# Altium PCB PCB1.PcbDoc
Units mil, origin at the board's own origin, x right, y up, seen from the top; angles counter-clockwise.
Board outline 1146.13 x 1453.05 mil, 4 copper layers (Top Layer, VDD, GND, Bottom Layer); 116 components, 110 nets, 483 pads, 0 vias.
Unrouted connection lines stored in the file: 305.
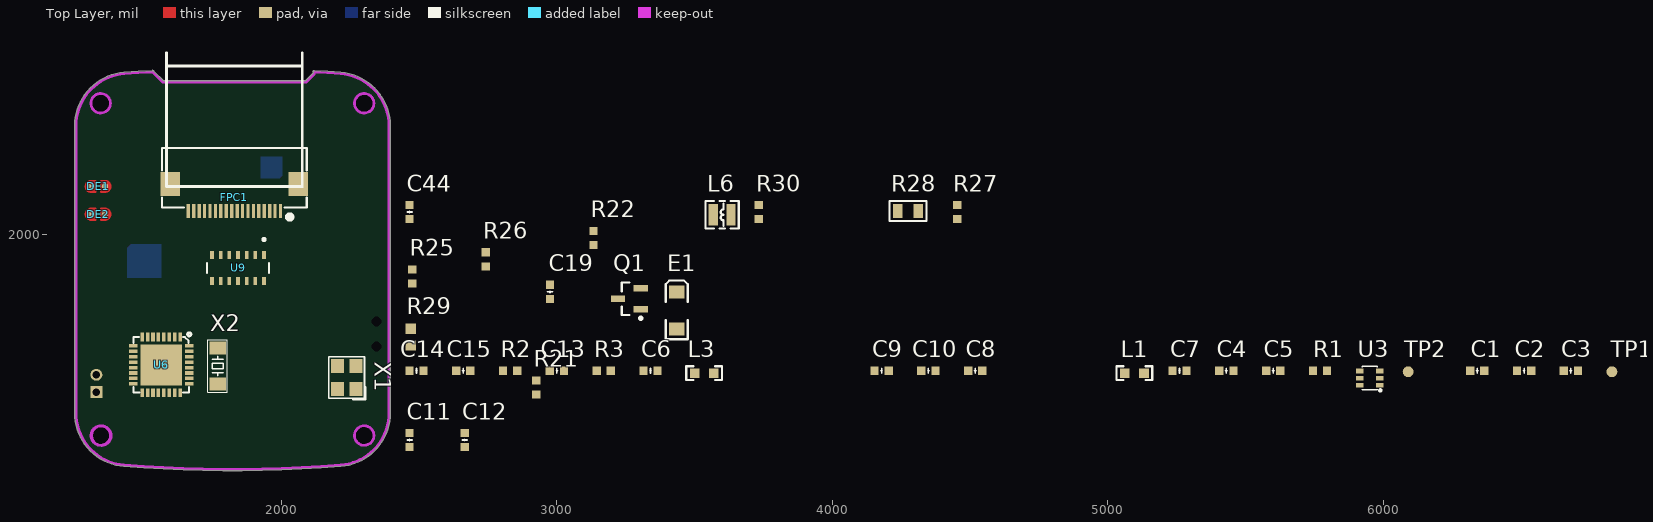
[diagram p0: Top Layer view]
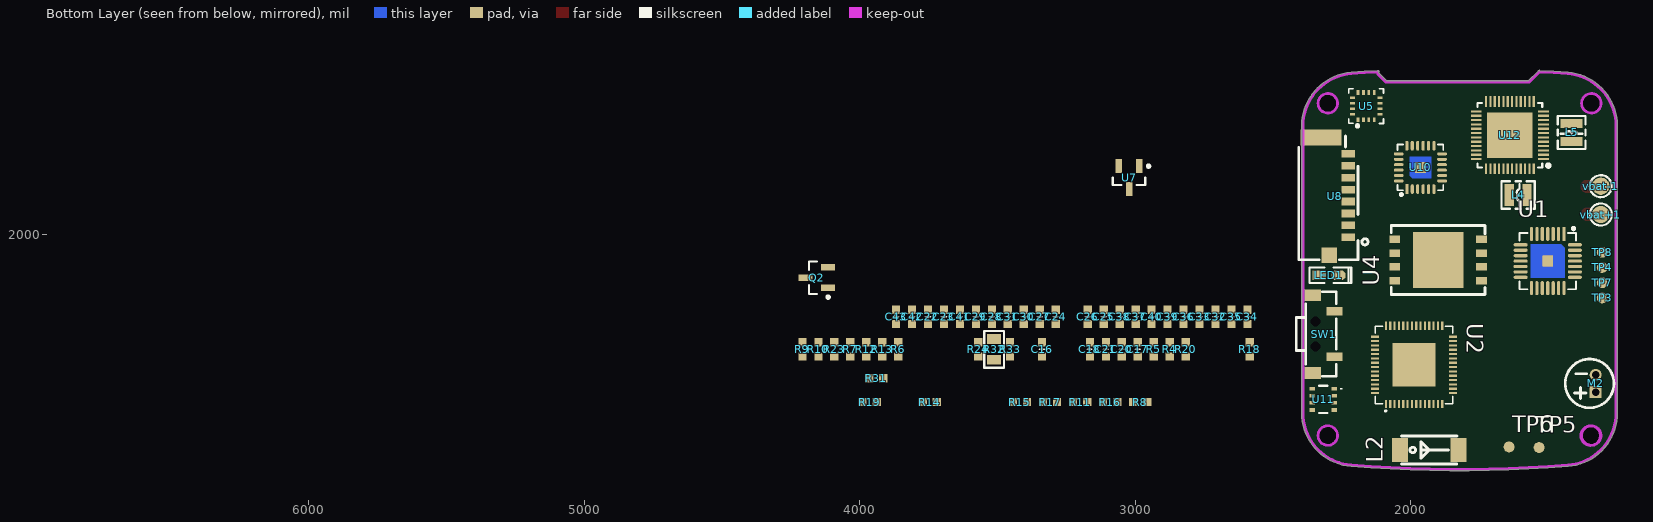
[diagram p1: Bottom Layer view, seen from below]

## Layer stack, top to bottom
Top Solder: solder mask 0.4, Solder Resist, Dk 3.5
Top Layer: signal copper 1.4
Dielectric 1: dielectric 12.6, FR-4, Dk 4.8
VDD: signal copper 1.4
Dielectric3: dielectric 12.6, FR-4, Dk 4.8
GND: signal copper 1.4
Dielectric2: dielectric 12.6, FR-4, Dk 4.8
Bottom Layer: signal copper 1.4
Bottom Solder: solder mask 0.4, Solder Resist, Dk 3.5

## Board outline
1248.82,1353.26 cw(c1254.19,1353.3) 1248.82,1353.3 1248.82,2395.93 cw(c1253.83,2395.98) 1248.82,2395.98 cw(c1443.34,2395.96) 1428.01,2589.88 cw(c1428.38,2585.22) 1428.04,2589.88 cw(c1821.89,-2398.08) 1531.21,2596.95 cw(c1532,2592) 1535.55,2595.55 1572.08,2559.01 2085.98,2559.01 2115.39,2588.43 cw(c2119.33,2591.53) 2119.63,2596.54 cw(c1821.86,-2398.46) 2215.77,2589.88 cw(c2200.35,2395.88) 2394.95,2395.98 cw(c2389.54,2395.98) 2394.95,2395.95 2394.95,1353.3 cw(c2200.43,1353.33) 2215.77,1159.4 cw(c1821.89,6134.69) 1428.01,1159.4 cw(c1443.27,1353.25)
cut-out: 2300.33,2442.44 cw(c2300.33,2477.87) 2264.9,2477.87 cw(c2300.33,2477.87) 2300.33,2513.3 cw(c2300.33,2477.87) 2335.77,2477.87 cw(c2300.33,2477.87)
cut-out: 1343.44,2442.44 cw(c1343.44,2477.87) 1308.01,2477.87 cw(c1343.44,2477.87) 1343.44,2513.3 cw(c1343.44,2477.87) 1378.88,2477.87 cw(c1343.44,2477.87)
cut-out: 1308.01,1271.41 ccw(c1343.44,1271.41) 1343.44,1235.98 ccw(c1343.44,1271.41) 1378.88,1271.41 ccw(c1343.44,1271.41) 1343.44,1306.84 ccw(c1343.44,1271.41)
cut-out: 2264.9,1271.41 ccw(c2300.33,1271.41) 2300.33,1235.98 ccw(c2300.33,1271.41) 2335.77,1271.41 ccw(c2300.33,1271.41) 2300.33,1306.84 ccw(c2300.33,1271.41)

## Design rules (kind name [scope] priority, off if disabled: settings)
Clearance [All] p1: gap=10 ignorepadtopadclearanceinfootprint=TRUE except(0: Arc-Hole Track-Hole SMDPad-Hole THPad-Hole Via-Hole Fill-Hole Poly-Hole Region-Hole Text-Hole)
PolygonConnect [All] p1: connectstyle=Relief reliefconductorwidth=10 reliefentries=4 polygonreliefangle="90 Angle" airgapwidth=10
RoutingVias [All] p1: holewidth=28 width=50 viastyle="Through Hole" minholewidth=28 minwidth=50 maxholewidth=28 maxwidth=50
SolderMaskExpansion [All] p1: expansion=4 istentingtop=FALSE
Width [All] p1: maxlimit=10 minlimit=10 preferedwidth=10
30 further rules are at their usual default settings.

## Classes and differential pairs
component class power: C27 C28 C29 C30 C31 C32 C33 C34 C35 C36 C37 C38 C39 C40 C41 C42 C43 C44 DE1 DE2 L4 L5 L6 LED1 R27 R28 R29 R30 R31 R32 R33 SW1 U12 vbat+1 vbat-1
component class peripheral: C16 C17 C18 C19 C20 C21 C22 C23 C24 C25 C26 E1 FPC1 HP9 HP10 M2 Q1 Q2 R4 R5 R6 R7 R8 R9 R10 R11 R12 R13 R14 R15 R16 R17 R18 R19 R20 R21 R22 R23 R24 R25 R26 TP3 TP4 TP5 TP6 TP7 TP8 U5 U6 U7 U8 U9 U10 U11
component class MCU: C1 C2 C3 C4 C5 C6 C7 C8 C9 C10 C11 C12 C13 C14 C15 HP1 HP2 HP3 HP4 HP5 HP6 HP7 HP8 L1 L2 L3 R1 R2 R3 TP1 TP2 U1 U2 U3 U4 X1 X2

## Components (designator, comment, footprint, x,y, rotation, side; value= is the part's Value field where it differs from the comment)
C1 "22pF" "C 0603_L" 6342,1507 r180 top
C2 "22pF" "C 0603_L" 6512,1507 r180 top
C3 "104" "C 0603_L" 6682,1507 r180 top
C4 "104" "C 0603_L" 5431,1507 r180 top
C5 "106" "C 0603_L" 5601,1507 r180 top
C6 "0.1uF" "C 0603_L" 3340,1507 r180 top
C7 "104" "C 0603_L" 5261,1507 r180 top
C8 "106" "C 0603_L" 4519,1507 r180 top
C9 "104" "C 0603_L" 4179,1507 r180 top
C10 "104" "C 0603_L" 4349,1507 r180 top
C11 "22pF" "C 0603_L" 2465,1255 r270 top
C12 "22pF" "C 0603_L" 2665,1255 r270 top
C13 "104" "C 0603_L" 3000,1507 r180 top
C14 "104" "C 0603_L" 2490,1507 r180 top
C15 "106" "C 0603_L" 2660,1507 r180 top
C16 "221" "C 0603_L" 3338,1584.43 r270 bottom
C17 "105" "C 0603_L" 2990,1584.43 r270 bottom
C18 "105" "C 0603_L" 3164,1584.43 r270 bottom
C19 "0.22uf" "C 0603_L" 2975,1793 r270 top
C20 "105" "C 0603_L" 3048,1584.43 r270 bottom
C21 "105" "C 0603_L" 3106,1584.43 r270 bottom
C22 "105" "C 0603_L" 3752,1702.43 r270 bottom
C23 "105" "C 0603_L" 3694,1702.43 r270 bottom
C24 "104" "C 0603_L" 3288,1702.43 r270 bottom
C25 "2.2nF" "C 0603_L" 3114,1702.43 r270 bottom
C26 "104" "C 0603_L" 3172,1702.43 r270 bottom
C27 "10uf/16V" "C 0603_L" 3346,1702.43 r270 bottom
C28 "10uf/16V" "C 0603_L" 3520,1702.43 r270 bottom
C29 "10uf/16V" "C 0603_L" 3578,1702.43 r270 bottom
C30 "10uf/16V" "C 0603_L" 3404,1702.43 r270 bottom
C31 "10uf/16V" "C 0603_L" 3462,1702.43 r270 bottom
C32 "10uf/16V" "C 0603_L" 2708,1702.43 r270 bottom
C33 "10uf/16V" "C 0603_L" 2766,1702.43 r270 bottom
C34 "10uf/16V" "C 0603_L" 2592,1702.43 r270 bottom
C35 "10uf/16V" "C 0603_L" 2650,1702.43 r270 bottom
C36 "10uf/16V" "C 0603_L" 2824,1702.43 r270 bottom
C37 "10uf/16V" "C 0603_L" 2998,1702.43 r270 bottom
C38 "10uf/16V" "C 0603_L" 3056,1702.43 r270 bottom
C39 "100nF" "C 0603_L" 2882,1702.43 r270 bottom
C40 "1uf/16V" "C 0603_L" 2940,1702.43 r270 bottom
C41 "1uf/16V" "C 0603_L" 3636,1702.43 r270 bottom
C42 "1uf/16V" "C 0603_L" 3810,1702.43 r270 bottom
C43 "1uf/16V" "C 0603_L" 3868,1702.43 r270 bottom
C44 "1uf/16V" "C 0603_L" 2465,2083 r270 top
DE1 "DEBUG PAD" DEBUG_B 1334,2176 r0 top
DE2 "DEBUG PAD" DEBUG_B 1334,2075 r0 top
E1 "4.7uf" "CD A(3216)" 3435,1726 r270 top
FPC1 "FPC" "FPC0.5 2H-WS-18P" 1829,2185 r180 top locked
L1 "2.0nH" "L 0603" 5097,1498 r180 top
L2 "AN2051" "AN2051-245 2.4G" 1932.34,1217.82 r180 bottom
L3 "10uH" "L 0603" 3535,1498 r180 top
L4 "2.2uH" NR2520 1609,2145 r0 bottom
L5 "2.2uH" NR2520 1415,2372 r90 bottom
L6 "2.2uH" NR2520 3600,2073 r180 top
LED1 "红色" "LED 0603W" 2296,1853 r180 bottom
M2 "MIC" 驻极体电容咪头（ECM） 1346,1462 r90 bottom locked
Q1 "SI2302" SOT23-3N 3263,1768 r180 top
Q2 "SI2302" SOT23-3N 4156.07,1844.92 r0 bottom
R1 "499R" "R 0603_L" 5771,1507 r180 top
R2 "1K" "R 0603_L" 2830,1507 r180 top
R3 "10K" "R 0603_L" 3170,1507 r180 top
R4 "1K" "R 0603_L" 2874,1584.43 r270 bottom
R5 "68R" "R 0603_L" 2932,1584.43 r270 bottom
R6 "0R" "R 0603_L" 3860,1584.43 r270 bottom
R7 "0R" "R 0603_L" 4034,1584.43 r270 bottom
R8 "10R" "R 0603_L" 2981.42,1392.84 r0 bottom
R9 "0R" "R 0603_L" 4208,1584.43 r270 bottom
R10 "0R" "R 0603_L" 4150,1584.43 r270 bottom
R11 "10K" "R 0603_L" 3199.78,1392.84 r0 bottom
R12 "0" "R 0603_L" 3976,1584.43 r270 bottom
R13 "10K" "R 0603_L" 3918,1584.43 r270 bottom
R14 "10K" "R 0603_L" 3745.69,1392.84 r0 bottom
R15 "10K" "R 0603_L" 3418.14,1392.84 r0 bottom
R16 "10K" "R 0603_L" 3090.6,1392.84 r0 bottom
R17 "10K" "R 0603_L" 3308.96,1392.84 r0 bottom
R18 "10K" "R 0603_L" 2584,1584.43 r270 bottom
R19 "1K" "R 0603_L" 3964.05,1392.84 r0 bottom
R20 "10R" "R 0603_L" 2816,1584.43 r270 bottom
R21 "4.7K" "R 0603_L" 2925,1446 r270 top
R22 "4.7K" "R 0603_L" 3133,1989 r270 top
R23 "10K" "R 0603_L" 4092,1584.43 r270 bottom
R24 "10K" "R 0603_L" 3570,1584.43 r270 bottom
R25 "4.7K" "R 0603_L" 2475,1849 r270 top
R26 "4.7K" "R 0603_L" 2742,1911 r270 top
R27 "10K/NTC" "R 0603_L" 4454,2083 r270 top
R28 "30mR" "R 0805_L" 4275,2087 r180 top
R29 "0R" "R 0603_N" 2469,1629 r270 top
R30 "1K" "R 0603_L" 3733,2083 r270 top
R31 "200K .1%" "R 0603_L" 3940.07,1479.84 r0 bottom
R32 "10mR" "R 0805_L" 3512,1584.43 r270 bottom
R33 "10K" "R 0603_L" 3454,1584.43 r270 bottom
SW1 "3x6x5" "TSW 3*6*4.3-S-W" 2345,1640 r270 bottom
TP1 "TEST" "TEST 1" 6831,1503 r270 top
TP2 "TEST" "TEST 1" 6091,1503 r270 top
TP3 "TEST" "TEST 1" 1304,1771 r270 bottom
TP4 "TEST" "TEST 1" 1304,1881.67 r270 bottom
TP5 "TEST" "TEST 1" 1533,1228 r270 bottom
TP6 "TEST" "TEST 1" 1642,1230 r270 bottom
TP7 "TEST" "TEST 1" 1304,1826.33 r270 bottom
TP8 "TEST" "TEST 1" 1304,1937 r270 bottom
U1 "CP2102" "QFN28 5x5_M" 1501.57,1905 r0 bottom
U2 "ESP32-S3R8" "QFN56  7x7" 1987,1528 r90 bottom
U3 "UMH3N" SOT-363 5952,1482 r180 top
U4 "W25Q64" WSON-8_L8.0-W6.0-P1.27-TL-EP 1899.52,1909 r180 bottom
U5 "QMC5883L" LGA-16_L3.0-W3.0-P0.50-BL_SQ 2161,2468 r180 bottom
U6 "WM8978" QFN32-P50 1563,1528 r270 top
U7 "XC6206P" SOT23 3022,2208.35 r270 bottom
U8 "SD卡座" SD卡座 2261,2143 r270 top locked
U9 "MAX30102EFD+" FP-F143A5-1-MFG 1842,1880 r270 top locked
U10 "MPU6050" "QFN24 4x4_N" 1964,2245 r180 bottom
U11 "BME280" BOSC-BME280-8_V 2317,1403 r180 bottom
U12 "AXP209" QFN-48_L6.0-W6.0-P0.40-TL-EP4.2 1639,2362 r0 bottom
vbat+1 "TEST" "TEST 1.6" 1309,2074 r180 bottom
vbat-1 "TEST" "TEST 1.6" 1309,2177 r180 bottom
X1 "40M" "OSC 3225-4P" 2236.46,1482.34 r90 top
X2 "32.768K" "OSC 3215-2P" 1768,1524 r270 top

## Footprints (in the part's own frame and the unit in brackets; to place one, negate y for a bottom-side part, rotate by r counter-clockwise, add the part's x,y. Pads: shape width x height; smd on the part's side, far side on the other; paste and mask are expansions set on the pad)
"AN2051-245 2.4G" [mm] "2x5x1mm (2051)"
  rect 1.5x2.2 smd: 1(-2.679,0.03) 2(2.701,0.03)
  silkscreen extent -2.55,-1.27 2.56,1.33, body extent -2.59,-1.3 2.57,1.35, height 1
BOSC-BME280-8_V [mm] "SMD, 8-Leads, Body 2.5x2.5mm, Pitch 0.65mm"
  rect 0.5x0.35 smd: 1(1.025,0.975) 2(1.025,0.325) 3(1.025,-0.325) 4(1.025,-0.975) 5(-1.025,-0.975) 6(-1.025,-0.325) 7(-1.025,0.325) 8(-1.025,0.975)
  silkscreen extent -0.39,-1.25 1.72,1.25, body extent -1.25,-1.25 1.25,1.25, height 1
"C 0603_L" [mil] "无极性贴片电容                                       淘宝ID:黄晶宝石"
  rect 30x30 smd: 1(-25.59,0) 2(25.59,0)
  silkscreen extent -3,-9 3,9, body extent -31,-16 32,16, height 32
"CD A(3216)" [mm] "长3.2mm，宽1.6mm，厚1.6mm      淘宝ID:黄晶宝石"
  rect 1.2x1.4 smd: 1(-1.7,0) 2(1.7,0)
  silkscreen extent -2.74,-1.02 2.67,1.02, body extent -1.6,-0.8 1.6,0.8, height 1.6
DEBUG_B [mm] "调试断点焊盘"
  round 0.6 smd paste-0.6: 1(-0.635,0) 2(0.635,0)
  Top Layer region: 0.254,-0.508 0.762,-0.508 0.908,-0.479 1.031,-0.396 1.114,-0.273 1.143,-0.127 1.143,-0.127 1.143,0 1.104,0.194 0.994,0.359 0.829,0.469 0.635,0.508 0.635,0.508 0.254,0.508
  Top Layer region: -0.254,0.508 -0.762,0.508 -0.908,0.479 -1.031,0.396 -1.114,0.273 -1.143,0.127 -1.143,0.127 -1.143,0 -1.104,-0.194 -0.994,-0.359 -0.829,-0.469 -0.635,-0.508 -0.635,-0.508 -0.254,-0.508
  Top Layer lines w0.203: -0.635,-0.508 cw(c-0.635,0) -0.635,0.508 -0.254,0.508 -0.254,0 -0.254,-0.508 -0.635,-0.508 ; 0.254,-0.508 0.635,-0.508 ccw(c0.635,0) 0.635,0.508 0.254,0.508 0.254,0 0.254,-0.508
FP-F143A5-1-MFG [mm]
  rect 0.75x0.35 smd paste+0 mask+0: 1(-1.2,2.4) 2(-1.2,1.6) 3(-1.2,0.8) 4(-1.2,0) 5(-1.2,-0.8) 6(-1.2,-1.6) 7(-1.2,-2.4) 8(1.2,-2.4) 9(1.2,-1.6) 10(1.2,-0.8) 11(1.2,0) 12(1.2,0.8) 13(1.2,1.6) 14(1.2,2.4)
  silkscreen extent -2.75,-2.85 0.45,2.85, body extent -2.2,-3.35 2.2,3.35, height 0.25
"FPC0.5 2H-WS-18P" [mm] "长：13.2mm，宽：5.2mm，高：2mm  淘宝ID:黄晶宝石   店铺网址:https://shop463601444.taobao.com"
  rect 1.8x2.2 smd: 0(-5.9,0) 0(5.9,0)
  rect 0.3x1.3 smd: 1(-4.25,2.497) 2(-3.75,2.497) 3(-3.25,2.497) 4(-2.75,2.497) 5(-2.25,2.497) 6(-1.75,2.497) 7(-1.25,2.497) 8(-0.75,2.497) 9(-0.25,2.497) 10(0.25,2.497) 11(0.75,2.497) 12(1.25,2.497) 13(1.75,2.497) 14(2.25,2.497) 15(2.75,2.497) 16(3.25,2.497) 17(3.75,2.497) 18(4.25,2.497)
  silkscreen extent -6.68,-3.3 6.68,3.23, body extent -6.6,-3.15 6.6,2.85, height 2
"L 0603" [mil] "小功率贴片电感        淘宝ID:黄晶宝石"
  rect 35x35 smd: 1(-35,0) 2(35,0)
  silkscreen extent -65,-25 65,25, body extent -31,-16 32,16, height 31
"LED 0603W" [mil] "白色0603LED                                        淘宝ID:黄晶宝石"
  rect 50x35 smd: 1(-35,0.26)
  oct 50x35 smd: 2(35,0.26)
  silkscreen extent -71,-28 81,28, body extent -31,-16 31,16, height 24
LGA-16_L3.0-W3.0-P0.50-BL_SQ [mm]
  rect 0.25x0.45 smd mask+0.051: 1(-0.75,-1.263) 2(-0.25,-1.263) 3(0.25,-1.263) 4(0.75,-1.263) 9(0.75,1.263) 10(0.25,1.263) 11(-0.25,1.263) 12(-0.75,1.263)
  rect 0.45x0.25 smd mask+0.051: 5(1.263,-0.75) 6(1.263,-0.25) 7(1.263,0.25) 8(1.263,0.75) 13(-1.263,0.75) 14(-1.263,0.25) 15(-1.263,-0.25) 16(-1.263,-0.75)
  silkscreen extent -1.61,-1.95 1.61,1.6, body extent -1.61,-1.61 1.61,1.6, height 1
NR2520 [mm] "2.5mm*2.0mm*1.0mm(长*宽*高）"
  rect 0.85x2 smd: 1(-0.825,0) 2(0.825,0)
  silkscreen extent -1.52,-1.27 1.52,1.27, body extent -1.25,-1 1.25,1, height 1.1
"OSC 3215-2P" [mm] "3.2*1.5*0.6mm(长宽高)                      淘宝ID:黄晶宝石"
  rect 1.2x1.5 smd: 1(-1.65,0) 2(1.65,0)
  silkscreen extent -2.41,-0.89 2.41,0.89, body extent -1.6,-0.75 1.6,0.75, height 0.61
"OSC 3225-4P" [mm] "3.2*2.5*0.7mm(长宽高)                         淘宝ID:黄晶宝石"
  rect 1.3x1.2 smd: 1(-1.05,-0.85) 2(1.05,-0.85) 3(1.05,0.85) 4(-1.05,0.85)
  silkscreen extent -2.03,-1.75 1.91,1.65, body extent -1.6,-1.25 1.6,1.25, height 0.7
"QFN24 4x4_N" [mm] "24脚，长x宽x高：4x4x1mm，脚距：0.5mm"
  rect 0.28x0.9 smd: 1(-1.25,-2)
  oval 0.28x0.9 smd: 2(-0.75,-2) 3(-0.25,-2) 4(0.25,-2) 5(0.75,-2) 6(1.25,-2) 13(1.25,2) 14(0.75,2) 15(0.25,2) 16(-0.25,2) 17(-0.75,2) 18(-1.25,2)
  oval 0.9x0.28 smd: 7(2,-1.25) 8(2,-0.75) 9(2,-0.25) 10(2,0.25) 11(2,0.75) 12(2,1.25) 19(-2,1.25) 20(-2,0.75) 21(-2,0.25) 22(-2,-0.25) 23(-2,-0.75) 24(-2,-1.25)
  rect 1x1 smd: 25(0,0)
  Top Layer region: -1,1 1,1 1,-1 -0.75,-1 -1,-0.75
  silkscreen extent -2.11,-2.6 2.11,2.11, body extent -2.01,-2.01 2.01,2.01, height 0.95
"QFN28 5x5_M" [mm] "28脚，长x宽x高：5x5x0.8mm，脚距：0.5mm"
  rect 0.3x1.3 smd: 1(-1.5,-2.5)
  oval 0.3x1.3 smd: 2(-1,-2.5) 3(-0.5,-2.5) 4(0,-2.5) 5(0.5,-2.5) 6(1,-2.5) 7(1.5,-2.5) 15(1.5,2.5) 16(1,2.5) 17(0.5,2.5) 18(0,2.5) 19(-0.5,2.5) 20(-1,2.5) 21(-1.5,2.5)
  oval 1.3x0.3 smd: 8(2.5,-1.5) 9(2.5,-1) 10(2.5,-0.5) 11(2.5,0) 12(2.5,0.5) 13(2.5,1) 14(2.5,1.5) 22(-2.5,1.5) 23(-2.5,1) 24(-2.5,0.5) 25(-2.5,0) 26(-2.5,-0.5) 27(-2.5,-1) 28(-2.5,-1.5)
  rect 1x1 smd: 29(0,0)
  Top Layer region: -1.55,1.55 1.55,1.55 1.55,-1.55 -1.225,-1.55 -1.55,-1.225
  silkscreen extent -2.6,-3.12 2.6,2.6, body extent -2.51,-2.51 2.51,2.51
QFN32-P50 [mil] "5mm*5mm 封装库来自淘宝卖家 ID：黄晶宝石"
  rect 31.5x13 smd: 1(-101.5,68.92) 2(-101.5,49.22) 3(-101.5,29.54) 4(-101.5,9.85) 5(-101.5,-9.85) 6(-101.5,-29.54) 7(-101.5,-49.22) 8(-101.5,-68.91) 17(101.5,-68.91) 18(101.5,-49.22) 19(101.5,-29.54) 20(101.5,-9.85) 21(101.5,9.85) 22(101.5,29.54) 23(101.5,49.22) 24(101.5,68.91)
  rect 13x31.5 smd: 9(-68.91,-101.5) 10(-49.22,-101.5) 11(-29.54,-101.5) 12(-9.85,-101.5) 13(9.85,-101.5) 14(29.54,-101.5) 15(49.22,-101.5) 16(68.91,-101.5) 25(68.91,101.5) 26(49.22,101.5) 27(29.54,101.5) 28(9.85,101.5) 29(-9.85,101.5) 30(-29.54,101.5) 31(-49.22,101.5) 32(-68.91,101.5)
  rect 149.61x149.61 smd: 33(0,0)
  silkscreen extent -117,-101 101,108, body extent -98,-98 98,98, height 37
"QFN56  7x7" [mm] "ESP32  7X7"
  rect 0.765x0.2 smd: 1(-3.6,2.6) 2(-3.6,2.2) 3(-3.6,1.8) 4(-3.6,1.4) 5(-3.6,1) 6(-3.6,0.6) 7(-3.6,0.2) 8(-3.6,-0.2) 9(-3.6,-0.6) 10(-3.6,-1) 11(-3.6,-1.4) 12(-3.6,-1.8) 13(-3.6,-2.2) 14(-3.6,-2.6) 29(3.6,-2.6) 30(3.6,-2.2) 31(3.6,-1.8) 32(3.6,-1.4) 33(3.6,-1) 34(3.6,-0.6) 35(3.6,-0.2) 36(3.6,0.2) 37(3.6,0.6) 38(3.6,1) 39(3.6,1.4) 40(3.6,1.8) 41(3.6,2.2) 42(3.6,2.6)
  rect 0.2x0.765 smd: 15(-2.6,-3.6) 16(-2.2,-3.6) 17(-1.8,-3.6) 18(-1.4,-3.6) 19(-1,-3.6) 20(-0.6,-3.6) 21(-0.2,-3.6) 22(0.2,-3.6) 23(0.6,-3.6) 24(1,-3.6) 25(1.4,-3.6) 26(1.8,-3.6) 27(2.2,-3.6) 28(2.6,-3.6) 43(2.6,3.6) 44(2.2,3.6) 45(1.8,3.6) 46(1.4,3.6) 47(1,3.6) 48(0.6,3.6) 49(0.2,3.6) 50(-0.2,3.6) 51(-0.6,3.6) 52(-1,3.6) 53(-1.4,3.6) 54(-1.8,3.6) 55(-2.2,3.6) 56(-2.6,3.6)
  rect 4x4 smd: 57(0,0)
  silkscreen extent -4.32,-3.58 3.58,3.58, body extent -3.56,-3.56 3.51,3.45, height 0.85
QFN-48_L6.0-W6.0-P0.40-TL-EP4.2 [mm]
  rect 1x0.2 smd mask+0.05: 1(-3.1,2.2) 2(-3.1,1.8) 3(-3.1,1.4) 4(-3.1,1) 5(-3.1,0.6) 6(-3.1,0.2) 7(-3.1,-0.2) 8(-3.1,-0.6) 9(-3.1,-1) 10(-3.1,-1.4) 11(-3.1,-1.8) 12(-3.1,-2.2) 25(3.1,-2.2) 26(3.1,-1.8) 27(3.1,-1.4) 28(3.1,-1) 29(3.1,-0.6) 30(3.1,-0.2) 31(3.1,0.2) 32(3.1,0.6) 33(3.1,1) 34(3.1,1.4) 35(3.1,1.8) 36(3.1,2.2)
  rect 0.2x1 smd mask+0.05: 13(-2.2,-3.1) 14(-1.8,-3.1) 15(-1.4,-3.1) 16(-1,-3.1) 17(-0.6,-3.1) 18(-0.2,-3.1) 19(0.2,-3.1) 20(0.6,-3.1) 21(1,-3.1) 22(1.4,-3.1) 23(1.8,-3.1) 24(2.2,-3.1) 37(2.2,3.1) 38(1.8,3.1) 39(1.4,3.1) 40(1,3.1) 41(0.6,3.1) 42(0.2,3.1) 43(-0.2,3.1) 44(-0.6,3.1) 45(-1,3.1) 46(-1.4,3.1) 47(-1.8,3.1) 48(-2.2,3.1)
  rect 4.2x4.2 smd mask+0.05: 49(0,0)
  silkscreen extent -3.7,-2.98 2.98,2.98
"R 0603_L" [mil] "1/10W贴片电阻                 淘宝ID:黄晶宝石"
  rect 30x30 smd: 1(-25.59,0) 2(25.59,0)
  body extent -31,-16 32,16, height 16
"R 0603_N" [mm]
  rect 0.93x0.98 smd: 1(-0.77,0) 2(0.77,0)
  body extent -0.85,-0.4 0.85,0.4, height 0.56
"R 0805_L" [mil] "1/8W贴片电阻                   淘宝ID:黄晶宝石"
  rect 35x50 smd: 1(-37.4,0) 2(37.4,0)
  silkscreen extent -67,-36 67,36, body extent -39,-25 39,25, height 20
SD卡座 [mm] "简易短体式 带壳"
  rect 0.7x1.2 smd far side: 1(3.854,-0.889) 2(2.754,-0.889) 3(1.654,-0.889) 4(0.554,-0.889) 5(-0.546,-0.889) 6(-1.646,-0.889) 7(-2.746,-0.889) 8(-3.846,-0.889)
  rect 1.5x3.8 smd far side: 9(-5.346,1.611)
  rect 1.45x1.4 smd far side: 10(5.504,0.861)
  body extent -5.46,-0.89 5.97,3.68, height 3
SOT23 [mm] "SOT23, 3-Leads, Body 2.9x1.3mm, Pitch 0.95mm, Lead Span 2.4mm, IPC Medium Density封装库来自淘宝卖家 ID：黄晶宝石"
  rect 1.3x0.6 smd: 1(-1.05,0.95) 2(-1.05,-0.95) 3(1.05,0)
  silkscreen extent -1.17,-1.5 0.7,1.92, body extent -1.2,-1.5 1.2,1.5, height 1.05
SOT23-3N [mm] "SOT23, 3-Leads, Body 2.9x1.3mm, Pitch 0.95mm, Lead Span 2.4mm, IPC Medium Density封装库来自淘宝卖家 ID：黄晶宝石"
  rect 1.3x0.6 smd: 1(-1.05,0.95) 2(-1.05,-0.95) 3(1.05,0)
  silkscreen extent -1.18,-1.5 0.7,1.92, body extent -1.2,-1.5 1.2,1.5, height 1.05
SOT-363 [mm]
  rect 0.7x0.42 smd: 1(-0.895,0.695) 2(-0.895,0.045) 3(-0.895,-0.605) 4(0.945,-0.605) 5(0.945,0.045) 6(0.945,0.695)
  silkscreen extent -1.07,-1.05 0.72,1.29, body extent -0.68,-1.05 0.72,1.15, height 0.5
"TEST 1" [mm] "测试点1mm"
  round 1 smd paste-1: 1(0,0)
"TEST 1.6" [mm] "测试点1.6mm"
  round 1.6 smd paste-1.6: 1(0,0)
  silkscreen extent -1.02,-1.02 1.01,1.02
"TSW 3*6*4.3-S-W" [mm] "侧立贴片3*6*4.3          淘宝ID:黄晶宝石"
  rect 1.1x1.5 smd: 0(-3.575,-0.25) 0(3.575,-0.25)
  round 0 hole 0.9: 0(-1.15,0) 0(1.15,0)
  rect 0.8x1.5 smd: 1(2.1,1.75) 2(-2.1,1.75)
  silkscreen extent -3.9,-1.78 3.9,1.91, body extent -3.9,-1.79 3.9,1.91, height 3.51
WSON-8_L8.0-W6.0-P1.27-TL-EP [mm]
  rect 1x0.7 smd mask+0.05: 1(-4,1.905) 2(-4,0.635) 3(-4,-0.635) 4(-4,-1.905) 5(4,-1.905) 6(4,-0.635) 7(4,0.635) 8(4,1.905)
  rect 4.65x5.2 smd mask+0.05: 9(0,0)
  silkscreen extent -4.32,-3.18 4.32,3.18, body extent -4.32,-3.18 4.32,3.18, height 1
驻极体电容咪头（ECM） [mm] "4.5x2.2"
  rect 1.1x1.1 hole 0.7: 1(-0.836,-0.459)
  round 1.1 hole 0.7: 2(0.764,-0.459)
  silkscreen extent -2.28,-2.16 2.21,2.34, body extent -2.31,-2.23 2.24,2.39, height 2.5

## Part data
C1 C2 C3 C4 C5 C6 C7 C8 C9 C10 C11 C12 C13 C14 C15 C16 C17 C18 C19 C20 C21 C22 C23 C24 C25 C26 C27 C28 C29 C30 C31 C32 C33 C34 C35 C36 C37 C38 C39 C40 C41 C42 C43 C44: library part C, "贴片电容", BOM名称=无极性贴片电容, 封装库来自淘宝卖家ID：黄晶宝石=其他店铺购入均为盗版假冒封装库, 联系卖家，免费查找封装=唯一出售店铺网址https://shop463601444.taobao.com
DE1 DE2: library part DEBUG, "调试断点焊盘", BOM名称=调试断点焊盘, 联系卖家，免费查找封装=唯一出售店铺网址https://shop463601444.taobao.com
E1: library part CT, "贴片钽电容", BOM名称=贴片钽电容, 封装库来自淘宝卖家ID：黄晶宝石=其他店铺购入均为盗版假冒封装库, 联系卖家，免费查找封装=唯一出售店铺网址https://shop463601444.taobao.com
FPC1: library part FPC18Pin, "FPC 连接座,脚距0.5"
L1 L3: library part L, "小功率贴片电感", BOM名称=小功率贴片电感, 封装库来自淘宝卖家ID：黄晶宝石=其他店铺购入均为盗版假冒封装库, 联系卖家，免费查找封装=唯一出售店铺网址https://shop463601444.taobao.com
L2: "AN2051-245 2.4G蓝牙wifi 贴片 2051"
L4 L5 L6: library part L-NR, "NR磁胶电感", BOM名称=NR磁胶电感, 封装库来自淘宝卖家ID：黄晶宝石=其他店铺购入均为盗版假冒封装库, 联系卖家，免费查找封装=唯一出售店铺网址https://shop463601444.taobao.com
LED1: library part LED-SMD, "贴片LED", BOM名称=贴片LED, 封装库来自淘宝卖家 ID：黄晶宝石=其他店铺购入均为假冒，请立即申请退款，本店奖励2~5元现金
M2: "驻极体电容咪头（ECM）φ4.5 x H2.2 mm"
Q1 Q2: "N沟道场效应管", BOM名称=N沟道场效应管, 联系卖家，免费查找封装=唯一出售店铺网址https://shop463601444.taobao.com
R1 R2 R3 R4 R5 R6 R7 R8 R9 R10 R11 R12 R13 R14 R15 R16 R17 R18 R19 R20 R21 R22 R23 R24 R25 R26 R27 R28 R29 R30 R31 R32 R33: library part R, "贴片电阻", BOM名称=贴片电阻, 封装库来自淘宝卖家ID：黄晶宝石=其他店铺购入均为盗版假冒封装库, 联系卖家，免费查找封装=唯一出售店铺网址https://shop463601444.taobao.com
SW1: library part "TSW 3x6", "3x6轻触开关", BOM名称=3x6轻触开关, 联系卖家，免费查找封装=唯一出售店铺网址https://shop463601444.taobao.com
TP1 TP2 TP3 TP4 TP5 TP6 TP7 TP8 vbat+1 vbat-1: "测试点", BOM名称=测试点, 联系卖家，免费查找封装=唯一出售店铺网址https://shop463601444.taobao.com
U1: "USB转TTL"
U2: library part ESP32S3, "ESP32S3  7x7"
U3: "2NPN预偏式(双)"
U4: library part W25Q64——wson, "C77819"
U5: "三轴磁传感器"
U6: library part WM9878, "音频编解码芯片"
U7: "最大输入电压：7V / 最大输出电流：200mA / 输入输出压差：200mV / 命名：（XC6205P）18代表1.8V"
U8: "SD卡座 简易短体式带壳"
U9: library part CMP-05738-000003-1, "IC SENSOR OXIMETER/HEARTRATE", Manufacturer="Maxim Integrated", Max Junction Temp=+90°C, Max Supply Voltage=2V, Min Supply Voltage=1.7V, Operating Supply Current=600uA, Package=F143A5-1, Temperature="-40°C to +85°C", Temperature Range High=+85°C, Temperature Range Low=-40°C, Automotive=No, Category=IC, ComponentLink2Description=Datasheet, ComponentLink2URL=https://datasheets.maximintegrated.com/en/ds/MAX30102.pdf, Device Class L1=Sensors, Device Class L2=unset, Device Class L3=unset, Digikey Description="IC SENSOR OXIMETER/HEARTRATE", Footprint Url=https://pdfserv.maximintegrated.com/land_patterns/90-0602.PDF, Height=1.65mm, Lead Free=Yes, Manufacturer Part Number=MAX30102EFD+, Mouser Description="Pulse Oximeter/Heart Rate Sensor, Oesip", Octopart=https://octopart.com/max30102efd%2B-maxim+integrated-59568799, RoHS=TRUE, Sensor Output=I2C
U10: "QFN24 4X4三轴加速度+三轴陀螺仪", 联系卖家，免费查找封装=唯一出售店铺网址https://shop463601444.taobao.com
U11: library part CMP-2000-05073-1, "Combined Humidity and Pressure Sensor, 1.71 to 3.6 V, -40 to 85 degC, 8-Pin SMD, RoHS, Tape and Reel", Manufacturer="Bosch Sensortec", Datasheet URL=http://datasheet.octopart.com/BME280-Bosch-datasheet-58577763.pdf, Datasheet Version="Rev. 1.2, 10/2015", Manufacturer URL=http://www.bosch-sensortec.com
U12: "高度集 成的电源系统管 理芯片 ， 针对单芯 锂电池( 锂离子或 锂聚合物) 且需要多 路电源转换 / 输出 的应用 ，提供简 单易用 而又可以 灵活配 置的完整 电源解 决方案， 充分满 足目前日 益复杂 的应用处 理 / 器系统对 于电源精确控制 的要求"
X1: library part XTAL-4P, "4脚无源晶振", BOM名称=4脚无源晶振, 联系卖家，免费查找封装=唯一出售店铺网址https://shop463601444.taobao.com
X2: library part XTAL-2P, "2脚无源脚晶振", BOM名称=2脚无源脚晶振, 联系卖家，免费查找封装=唯一出售店铺网址https://shop463601444.taobao.com

## Nets (pads, with @x,y where several pads share a name; then routed paths per layer and width w, separated by ;. In a path a pad name is that pad's centre, name@x,y a point inside that pad or via, vN(x,y) a via of type N, cw(c..) or ccw(c..) an arc to the next point about the centre after c; other vN are vias at no path point)
1V8: U7.2 U9.11
32.768N: C12.2 U2.22 X2.1
32.768P: C11.2 U2.21 X2.2
AGND: C17.2 E1.2 R29.2 R31.1 U5.9 U5.11 U6.28 U7.3 U9.12 U11.1 U11.7 U12.22
AUDIO_VDD: C43.1 U6.31 U12.41
AVDD: C24.1 R19.1 R24.1 U5.2 U5.4 U5.13 U10.8 U10.13 U11.2 U11.6 U11.8
D+: R10.2 U1.4
D-: R9.2 U1.5
DN: R6.1 R9.1 TP7.1
DP: R7.1 R10.1 TP4.1
DTR: U1.28 U3.2 U3.4
GND: C1.2 C2.1 C3.2 C4.2 C5.2 C6.1 C7.1 C8.1 C9.2 C10.2 C11.1 C12.1 C13.1 C14.1 C15.1 C16.1 C18.1 C24.2 C25.2 C26.1 C27.1 C28.2 C29.1 C30.1 C31.1 C32.1 C33.2 C34.1 C35.1 C36.1 C37.1 C38.1 C39.1 C40.2 C41.2 C42.2 C43.2 C44.2 DE1.2 FPC1.0 FPC1.1 FPC1.5 FPC1.6 FPC1.8 FPC1.12 FPC1.18 Q1.2 Q2.2 R4.1 R11.1 R12.1 R13.2 R18.1 R23.2 R27.1 R29.1 SW1.1 TP3.1 U1.3 U1.29 U2.57 U4.4 U4.9 U6.12 U6.33 U8.6 U8.9 U8.10 U9.4 U10.1 U10.11 U10.18 U10.25 U12.4 U12.9 U12.16 U12.46 U12.49 X1.2 X1.4
IO0: TP1.1 U2.5 U3.3
IPSOUT: C31.2 C33.1 C34.2 C35.2 C37.2 C40.1 R30.1 R32.1 U12.7 U12.14 U12.21 U12.29 U12.34 U12.35 U12.40 U12.44
LCD_BLK: Q2.1 R18.2 U2.37
LCD_D/C: FPC1.7 U2.40
LCD_SCL: FPC1.9 U2.38
LCD_SDA: FPC1.10 U2.39
LDO4: C42.1 U12.11
M_sw: Q1.1 R11.2 U12.18
MIC+: C20.1 C22.1 M2.1
MIC-: C21.1 C23.1 M2.2 R12.2
NetC1_1: C1.1 U2.54 X1.1
NetC2_2: C2.2 U2.53 X1.3
NetC8_2: C8.2 L1.1 U2.2 U2.3
NetC9_1: C9.1 L2.1 L3.1
NetC10_1: C10.1 L3.2 U2.1
NetC16_2: C16.2 R4.2 R5.2
NetC17_1: C17.1 U6.27
NetC18_2: C18.2 R5.1 U6.32
NetC19_1: C19.1 U5.12
NetC19_2: C19.2 U5.8
NetC20_2: C20.2 U6.1
NetC21_2: C21.2 U6.2
NetC22_2: C22.2 U6.4
NetC23_2: C23.2 U6.5
NetC25_1: C25.1 U10.20
NetC26_2: C26.2 U10.10
NetC29_2: C29.2 L5.2 U12.10
NetC30_2: C30.2 L4.2 R28.1 U12.43
NetC38_2: C38.2 U12.24
NetC39_2: C39.2 R33.1 SW1.2
NetDE1_1: DE1.1 vbat-1.1
NetDE2_1: DE2.1 vbat+1.1
NetE1_1: E1.1 U5.10
NetFPC1_2: FPC1.2 R20.2
NetL4_1: L4.1 U12.45
NetL5_1: L5.1 U12.8
NetL6_1: L6.1 U12.15
NetLED1_1: LED1.1 R30.2
NetLED1_2: LED1.2 U12.36
NetM1_2: R8.1
NetQ1_3: Q1.3 R8.2
NetQ2_3: Q2.3 R20.1
NetR1_1: R1.1 U2.49
NetR2_2: R2.2 U1.9
NetR13_1: R13.1 U6.18
NetR23_1: R23.1 R24.2 U10.9
NetR27_2: R27.2 U12.37
NetR31_2: R31.2 U12.23
NetR32_2: R32.2 U12.13
NetR33_2: R33.2 U12.47
NetTP5_1: TP5.1 U6.25
NetTP6_1: TP6.1 U6.23
P1: U2.6
P2: U2.7
P3: U2.8
P4: U2.9
P5: U2.10
P_IRQ: U2.15 U12.48
P_state: U2.14 U12.25
RST/EN: C13.2 R3.1 TP2.1 U2.4 U3.6
RTC_VDD: C44.1 U2.20 U12.28
RTS: U1.24 U3.1 U3.5
Scl: R22.1 U2.16 U5.1 U9.2 U10.23 U11.3
Scl2: R26.2 U2.12 U6.16 U12.2
SD_CLK: R14.1 U2.44 U8.5
SD_CMD: R15.1 U2.45 U8.3
SD_D0: U2.52 U8.7
SD_D1: R17.1 U2.51 U8.8
SD_D2: U2.48 U8.1
SD_D3: R16.1 U2.47 U8.2
SD_VDD: C41.1 U8.4 U12.12
Sda: R21.1 U2.17 U5.16 U9.3 U10.24 U11.4
Sda2: R25.2 U2.11 U6.17 U12.1
Show_RST: FPC1.11 FPC1.15 U2.36
SPICLK: U2.33 U4.6
SPICS0: U2.32 U4.1
SPID: U2.35 U4.5
SPIHD: U2.30 U4.7
SPIQ: U2.34 U4.2
SPIWP: U2.31 U4.3
TP_INT: FPC1.16 U2.43
TP_SCL: FPC1.13 U2.42
TP_SDA: FPC1.14 U2.41
U0_RXD: U1.26 U2.50
U0_TXD: R1.2 U1.25
USB_D+: R7.2 U2.26
USB_D-: R6.2 U2.25
VABT: C27.2 C28.1 DE2.2 R28.2 U12.38 U12.39 U12.42
VBUS: C36.2 TP8.1 U1.7 U1.8 U12.31
VDD: C3.1 C4.1 C5.1 C6.2 C7.2 C32.2 FPC1.3 FPC1.4 FPC1.17 L1.2 L6.2 R2.1 R3.2 R14.2 R15.2 R16.2 R17.2 R21.2 R22.2 R25.1 R26.1 U1.6 U2.46 U2.55 U2.56 U6.13 U6.14 U6.26 U7.1 U9.9 U9.10 U12.17
VDD_SPI: C14.2 C15.2 U2.29 U4.8
VINT: U12.26 U12.27
WM_LRCK: U2.18 U6.7
WM_MCLK: U2.27 U6.11
WM_SCLK: U2.19 U6.8
WM_SDIN: U2.24 U6.10
WM_SDOUT: U2.23 U6.9
XN_I\N\T\: R19.2 U2.13 U9.13
pads on no net: L2.2 SW1.0 U1.1 U1.2 U1.10 U1.11 U1.12 U1.13 U1.14 U1.15 U1.16 U1.17 U1.18 U1.19 U1.20 U1.21 U1.22 U1.23 U1.27 U2.28 U5.3 U5.5 U5.6 U5.7 U5.14 U5.15 U6.3 U6.6 U6.15 U6.19 U6.20 U6.21 U6.22 U6.24 U6.29 U6.30 U9.1 U9.5 U9.6 U9.7 U9.8 U9.14 U10.2 U10.3 U10.4 U10.5 U10.6 U10.7 U10.12 U10.14 U10.15 U10.16 U10.17 U10.19 U10.21 U10.22 U11.5 U12.3 U12.5 U12.6 U12.19 U12.20 U12.30 U12.32 U12.33

## Keep-outs
Keep-Out Layer:
  circle w10: c1343.44,2477.87 r35.43
  circle w10: c2300.33,2477.87 r35.43
  circle w10: c2300.33,1271.41 r35.43
  circle w10: c1343.44,1271.41 r35.43
  circle w10: c1343.44,2477.87 r35.43
  circle w10: c2300.33,2477.87 r35.43
  circle w10: c2300.33,1271.41 r35.43
  circle w10: c1343.44,1271.41 r35.43
  circle w10: c1345.72,1271.13 r35.43
  lines w10: 2118.94,2584.88 2088.06,2554 1570,2554 1532,2592 ccw(c1821.89,-2398.01) 1428.4,2584.88 ; 2119.33,2591.53 cw(c1821.89,-2398.01) 2215.37,2584.88 ; 1253.84,1353.3 ccw(c1443.27,1353.25) 1428.4,1164.4 ; 1253.84,1353.3 ccw(c1443.27,1353.25) 1428.4,1164.4 ; 1253.84,1353.3 1253.84,2395.98 ; 1253.84,1353.3 1253.84,2395.98 ; 1253.84,2395.98 cw(c1443.34,2395.96) 1428.4,2584.88 ; 1253.84,2395.98 cw(c1443.34,2395.96) 1428.4,2584.88 ; 1428.4,1164.4 ccw(c1821.89,6134.69) 2215.37,1164.4 ; 1428.4,1164.4 ccw(c1821.89,6134.69) 2215.37,1164.4 ; 2215.37,1164.4 ccw(c2200.43,1353.33) 2389.94,1353.3 ; 2215.37,1164.4 ccw(c2200.43,1353.33) 2389.94,1353.3 ; 2215.37,2584.88 cw(c2200.35,2395.89) 2389.94,2395.98 ; 2215.37,2584.88 cw(c2200.35,2395.89) 2389.94,2395.98 ; 2389.94,1353.3 2389.94,2395.98 ; 2389.94,1353.3 2389.94,2395.98

## Silkscreen, mask and mechanical layers (free items; w line width, h text height)
Top Overlay:
  lines w10: 1582.34,2613.42 2075.71,2613.42 ; 1582.34,2661.81 1582.34,2175.35 2075.71,2175.35 2075.71,2661.81